# Altium PCB CM_PCB.PcbDoc (part 2 of 7)
Units mil, origin at the board's own origin, x right, y up, seen from the top; angles counter-clockwise.
Board outline 6478 x 5255 mil, 14 copper layers (Top Layer, GND1, HS1, GND2, DIFF_SE1, GND3, POWER1, POWER2, GND4, DIFF_SE2, GND5, HS2, GND6, Bottom Layer), stack 76.1 mil thick; 327 components, 386 nets, 2198 pads, 830 vias.
Unrouted connection lines stored in the file: 392.
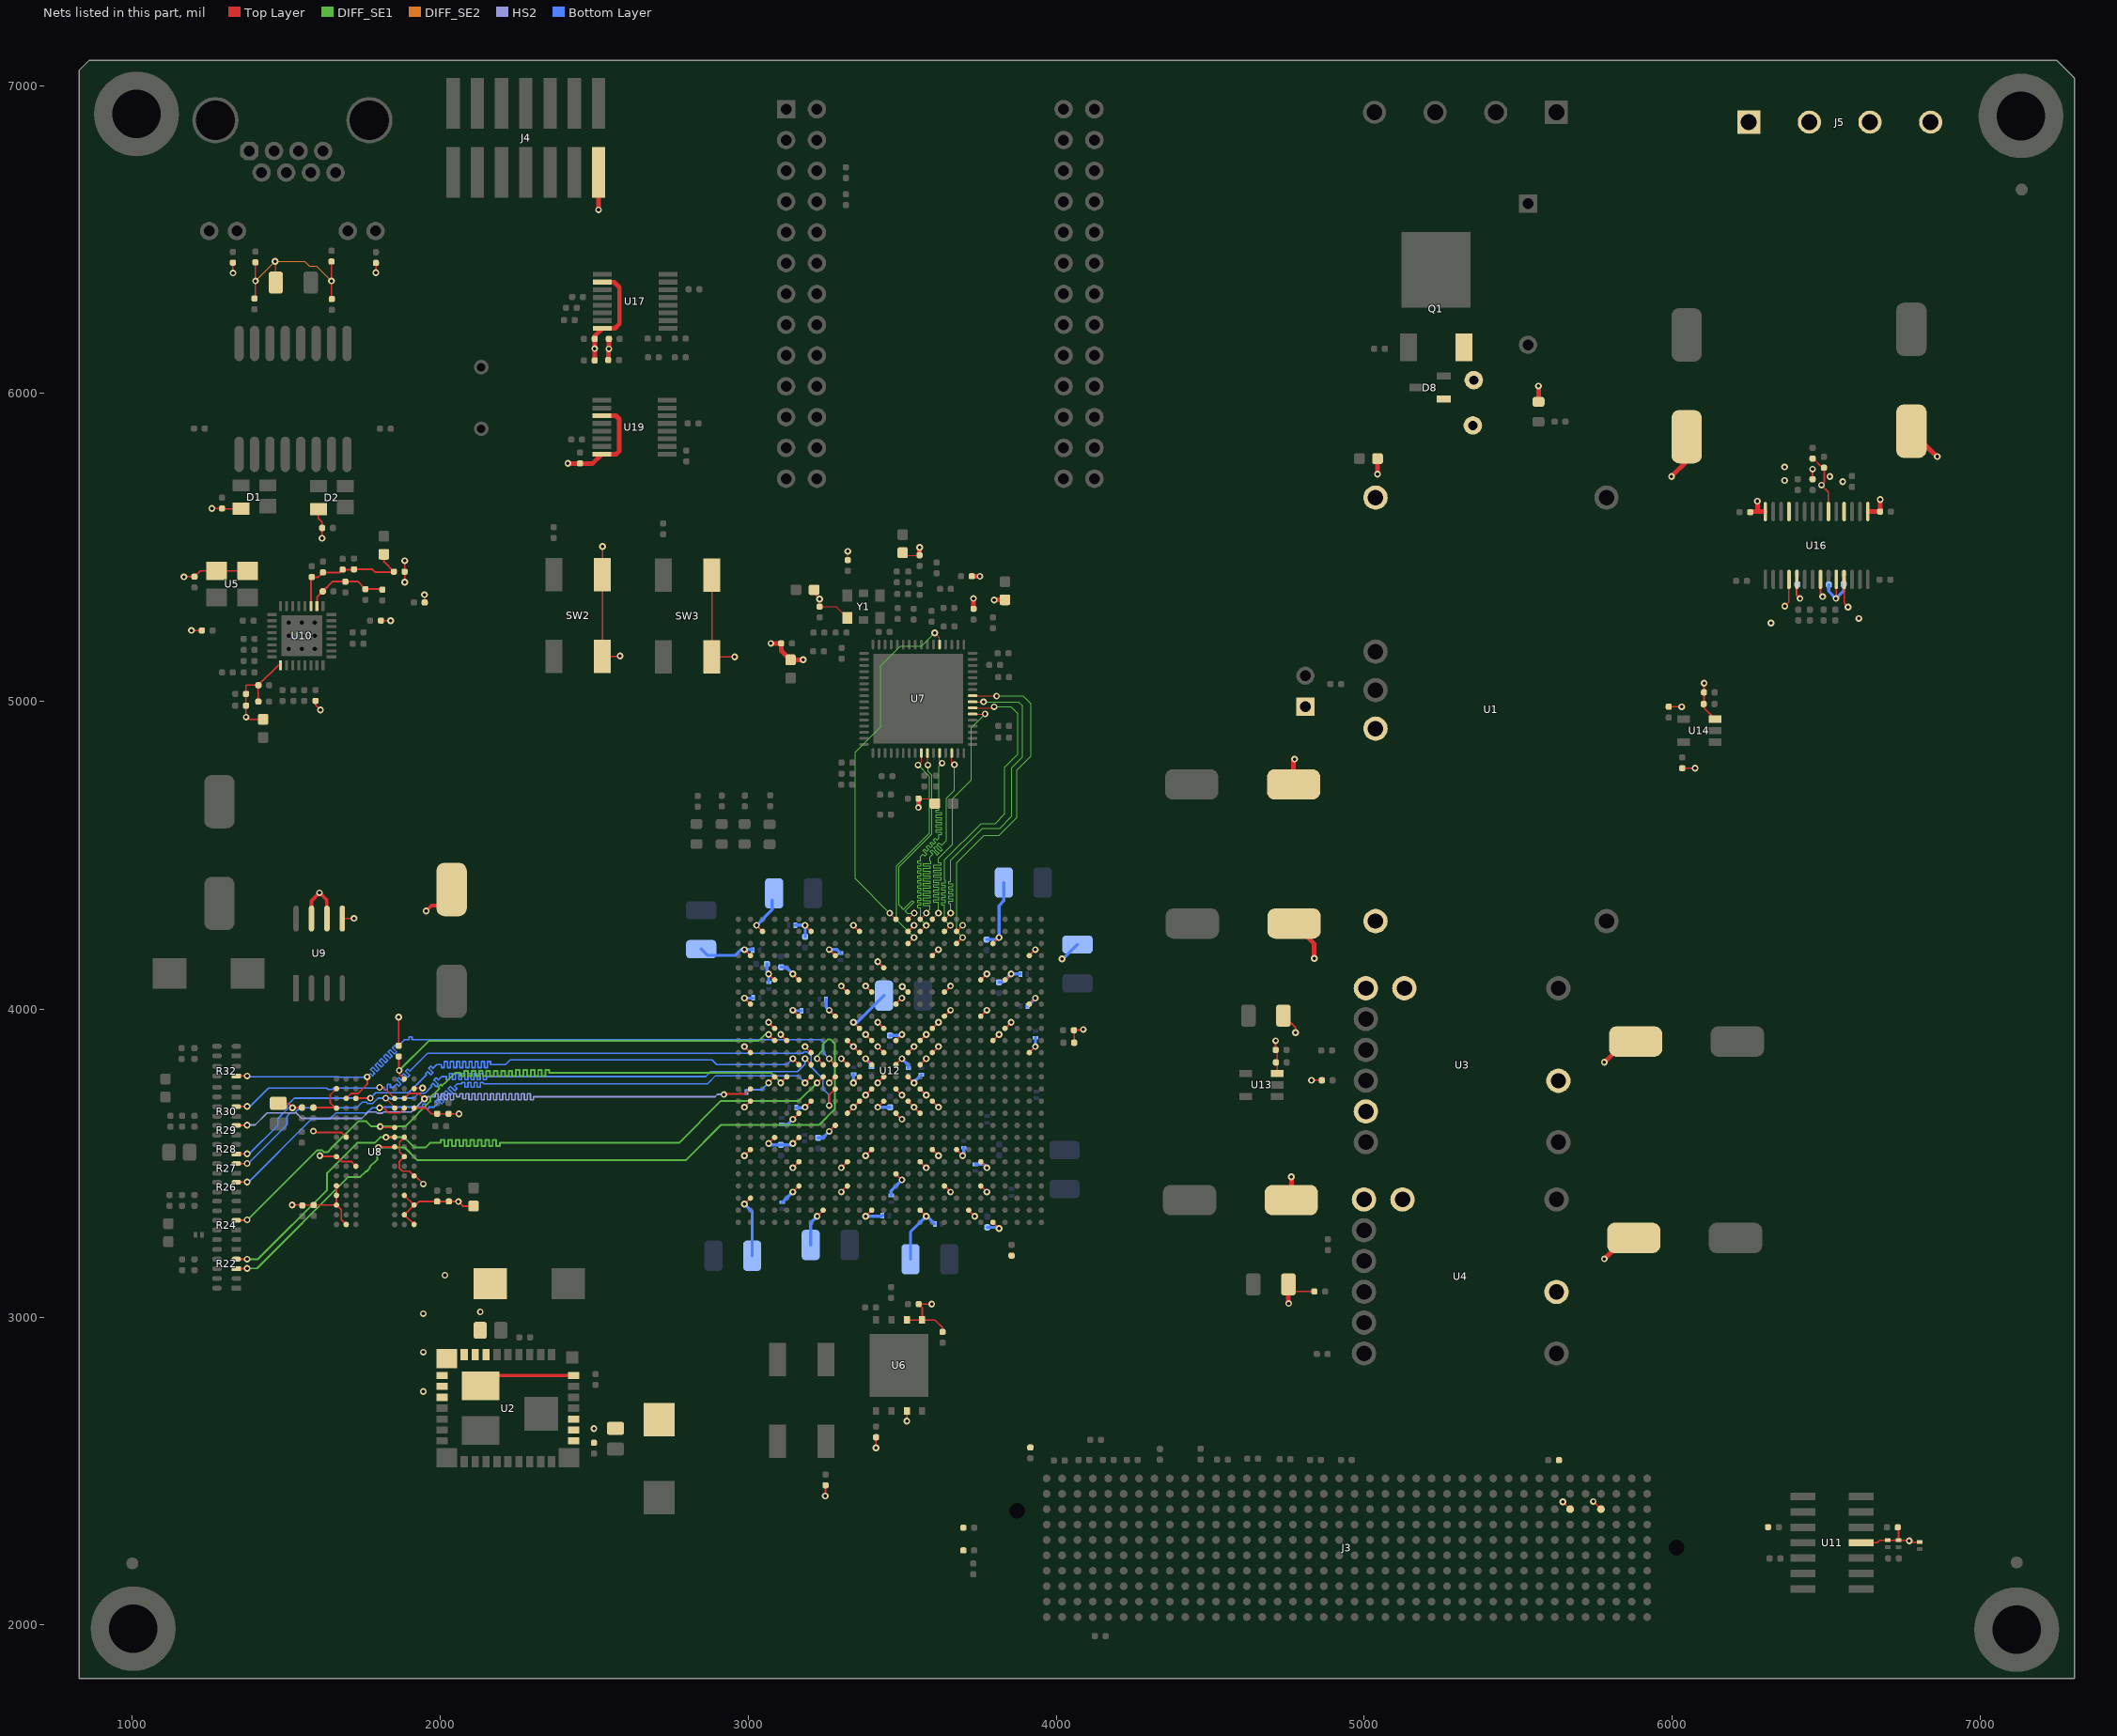
[diagram p14: the nets of this part, all layers, seen from the top]

## Footprints (in the part's own frame and the unit in brackets; to place one, negate y for a bottom-side part, rotate by r counter-clockwise, add the part's x,y. Pads: shape width x height; smd on the part's side, far side on the other; paste and mask are expansions set on the pad) (continued)
LED_0603 [mm] "Light Emitting Diode - Package 1608"
  rrect50% 0.8x1 smd: A(-0.825,0) K(0.825,0)
  silkscreen extent -0.2,-0.67 0.2,0.68, body extent -0.81,-0.38 0.81,0.42, height 1.1
M25P128 [mm]
  rect 5.2x4.85 smd: 0(0,0)
  rect 0.6x0.5 smd: 1(-3.75,1.905) 2(-3.75,0.635) 3(-3.75,-0.635) 4(-3.75,-1.905) 5(3.75,1.905) 6(3.75,0.635) 7(3.75,-0.635) 8(3.75,-1.905)
  silkscreen extent -4.56,2.79 -4.44,2.91
MEM_DDR3_MT41J128M16JT-125 [mm]
  round 0.45 smd: A1(-3.2,6) A2(-2.4,6) A3(-1.6,6) A7(1.6,6) A8(2.4,6) A9(3.2,6) B1(-3.2,5.2) B2(-2.4,5.2) B3(-1.6,5.2) B7(1.6,5.2) B8(2.4,5.2) B9(3.2,5.2) C1(-3.2,4.4) C2(-2.4,4.4) C3(-1.6,4.4) C7(1.6,4.4) C8(2.4,4.4) C9(3.2,4.4) D1(-3.2,3.6) D2(-2.4,3.6) D3(-1.6,3.6) D7(1.6,3.6) D8(2.4,3.6) D9(3.2,3.6) E1(-3.2,2.8) E2(-2.4,2.8) E3(-1.6,2.8) E7(1.6,2.8) E8(2.4,2.8) E9(3.2,2.8) F1(-3.2,2) F2(-2.4,2) F3(-1.6,2) F7(1.6,2) F8(2.4,2) F9(3.2,2) G1(-3.2,1.2) G2(-2.4,1.2) G3(-1.6,1.2) G7(1.6,1.2) G8(2.4,1.2) G9(3.2,1.2) H1(-3.2,0.4) H2(-2.4,0.4) H3(-1.6,0.4) H7(1.6,0.4) H8(2.4,0.4) H9(3.2,0.4) J1(-3.2,-0.4) J2(-2.4,-0.4) J3(-1.6,-0.4) J7(1.6,-0.4) J8(2.4,-0.4) J9(3.2,-0.4) K1(-3.2,-1.2) K2(-2.4,-1.2) K3(-1.6,-1.2) K7(1.6,-1.2) K8(2.4,-1.2) K9(3.2,-1.2) L1(-3.2,-2) L2(-2.4,-2) L3(-1.6,-2) L7(1.6,-2) L8(2.4,-2) L9(3.2,-2) M1(-3.2,-2.8) M2(-2.4,-2.8) M3(-1.6,-2.8) M7(1.6,-2.8) M8(2.4,-2.8) M9(3.2,-2.8) N1(-3.2,-3.6) N2(-2.4,-3.6) N3(-1.6,-3.6) N7(1.6,-3.6) N8(2.4,-3.6) N9(3.2,-3.6) P1(-3.2,-4.4) P2(-2.4,-4.4) P3(-1.6,-4.4) P7(1.6,-4.4) P8(2.4,-4.4) P9(3.2,-4.4) R1(-3.2,-5.2) R2(-2.4,-5.2) R3(-1.6,-5.2) R7(1.6,-5.2) R8(2.4,-5.2) R9(3.2,-5.2) T1(-3.2,-6) T2(-2.4,-6) T3(-1.6,-6) T7(1.6,-6) T8(2.4,-6) T9(3.2,-6)
  silkscreen extent -5.31,-6.98 4.5,7.01, body extent -4.5,-7 4.5,7, height 1.05
MH_ENG_6-32 [mm] "Mounting hole - Imperial 6-32"
  round 7 hole 4: 1(0,0)
PIN-W2/E2.8 [mm] "Thru-Hole; 2 Leads"
  rect 1.5x1.5 hole 0.9: 1(-5.825,0)
  round 1.5 hole 0.9: 2(5.825,0)
  silkscreen extent -2.65,-1.4 2.65,1.4
POW_MOTOR_DRV8811PWPR [mm] "TSOP, 28-Leads, Body 9,70x4,40mm, Pitch 0,65mm, Thermal Pad 9,70x3,40mm, IPC Medium Density"
  oval 1.6x0.3 smd: 1(-2.8,4.225) 2(-2.8,3.575) 3(-2.8,2.925) 4(-2.8,2.275) 5(-2.8,1.625) 6(-2.8,0.975) 7(-2.8,0.325) 8(-2.8,-0.325) 9(-2.8,-0.975) 10(-2.8,-1.625) 11(-2.8,-2.275) 12(-2.8,-2.925) 13(-2.8,-3.575) 14(-2.8,-4.225) 15(2.8,-4.225) 16(2.8,-3.575) 17(2.8,-2.925) 18(2.8,-2.275) 19(2.8,-1.625) 20(2.8,-0.975) 21(2.8,-0.325) 22(2.8,0.325) 23(2.8,0.975) 24(2.8,1.625) 25(2.8,2.275) 26(2.8,2.925) 27(2.8,3.575) 28(2.8,4.225)
  rect 3.4x9.7 on Bottom Solder paste-15 mask-15: PAD(0,0)
  silkscreen extent -2.92,4.8 -2.68,5.05, body extent -3.2,-4.9 3.2,4.9, height 1.2
PTH08T230W [mm]
  round 2 hole 1.27: 1(-7.94,6.352) 2(-7.94,1.282) 3(-7.94,-6.348) 4(4.76,-6.348) 5(7.94,-6.348) 6(7.94,-3.808) 7(7.94,-1.268) 8(7.94,1.272) 9(7.94,3.812) 10(7.94,6.352)
  silkscreen extent -9.97,-8.38 9.97,8.38, body extent -9.97,-8.38 9.97,8.38, height 8.5
PTN78020W [mm]
  round 2 hole 1.27: 1(-17.464,9.523) 2(-17.464,-9.527) 3(-4.764,-9.527) 4(-1.584,-9.527) 5(1.596,-9.527) 6(17.476,-9.527) 7(17.476,9.523)
  silkscreen extent -19.49,-11.55 19.5,11.56, body extent -19.56,-11.56 19.43,11.56, height 9
RAD-0.2 [mm] "Radial Cap, Thru-Hole; 2 Leads; 0.2 in Pin Spacing"
  round 1.2 hole 0.7: 1(-2.54,0) 2(2.54,0)
  silkscreen extent -4.44,-1.91 4.44,1.91
RES_0402 [mil]
  rrect60% 20x20 smd: 1(-17.5,0) 2(17.5,0)
  silkscreen extent -32,-15 32,15, body extent -23,-11 23,11, height 16
"RKG39 QFN" [mm]
  rect 1x1 smd paste-11 mask-0.6: 1(0.6,0.7)
  rect 0.6x0.95 smd paste-0.025 mask+0.07: 2(2.3,0.475) 3(3.2,0.475) 4(4.1,0.475) 5(5,0.475) 6(5.9,0.475) 7(6.8,0.475) 8(7.7,0.475) 9(8.6,0.475) 10(9.5,0.475) 20(9.5,9.325) 21(8.6,9.325) 22(7.7,9.325) 23(6.8,9.325) 24(5.9,9.325) 25(5,9.325) 26(4.1,9.325) 27(3.2,9.325) 28(2.3,9.325)
  rect 1.7x1.6 smd paste-11 mask+0.07: 11(10.95,0.8) 19(10.95,9)
  rect 0.95x0.6 smd paste-0.025 mask+0.07: 12(11.325,2.2) 13(11.325,3.1) 14(11.325,4) 15(11.325,4.9) 16(11.325,5.8) 17(11.325,6.7) 18(11.325,7.6) 30(0.475,7.6) 31(0.475,6.7) 32(0.475,5.8) 33(0.475,4.9) 34(0.475,4) 35(0.475,3.1) 36(0.475,2.2)
  rect 1.7x1.6 smd paste-99 mask+0.07: 29(0.85,9)
  rect 2.8x2.8 smd paste-11 mask-0.6: 37(3.15,5.35)
  rect 3.1x2.35 smd paste-11 mask+0.07: 38(8.15,3.07) 39(8.15,6.74)
  Top Layer region: 0,0 1.7,0 1.7,0.99 1.09,1.6 0,1.6
  silkscreen extent -0.3,-1.55 12.1,10.1, body extent 0.4,0.4 11.4,9.4, height 2.9
SEN_TEMP_TC74A0-3.3VCTTR [mm]
  rect 1.05x0.6 smd paste-0.05 mask+0.07: 1(-1.3,0.95) 2(-1.3,0) 3(-1.3,-0.95) 4(1.3,-0.95) 5(1.3,0.95)
  silkscreen extent -2.47,-1.5 0.48,1.5, body extent -1.6,-1.58 1.6,1.53, height 1.45
SOIC127P600X175-14N [mil]
  rect 81x24 smd: 1(-189,300) 2(-189,250) 3(-189,200) 4(-189,150) 5(-189,100) 6(-189,50) 7(-189,0) 8(0,0) 9(0,50) 10(0,100) 11(0,150) 12(0,200) 13(0,250) 14(0,300)
  silkscreen extent -140,-22 -49,322
SOP8 [mm]
  rect 2.15x0.45 smd: 1(0,0)
  oval 2.15x0.45 smd: 2(0,-1.27) 3(0,-2.54) 4(0,-3.81) 5(5.75,-3.81) 6(5.75,-2.54) 7(5.75,-1.27) 8(5.75,0)
  silkscreen extent 1.5,-4.44 3.84,1.3
SOT23_N [mm] "SOT23, 3-Leads, Body 2.9x1.3mm, Pitch 0.95mm, Lead Span 2.3mm - Reverse Pinning, IPC Medium Density"
  rect 1.15x0.6 smd: 1(1.125,0) 2(-1.125,-0.95) 3(-1.125,0.95)
  silkscreen extent -0.2,-1.5 1.47,1.5, body extent -0.7,-1.5 0.7,1.5, height 1.1
SWI_TACT_B3SN-3012P [mm]
  rect 2.75x1.4 smd: 1(-3.375,2) 2(-3.375,-2) 3(3.375,-2) 4(3.375,2)
  silkscreen extent -6.44,-3.99 5.3,3.97, body extent -3.42,-3.37 3.58,3.13, height 3.1
TIM_CDCE62005RGZT [mm] "QFN, 64-Leads, Body 9,00x9,00mm, Pitch 0,50mm, Thermal Pad 7,40x7,40mm, IPC Medium Density"
  oval 0.8x0.23 smd mask+0.07: 1(-4.475,3.75) 2(-4.475,3.25) 3(-4.475,2.75) 4(-4.475,2.25) 5(-4.475,1.75) 6(-4.475,1.25) 7(-4.475,0.75) 8(-4.475,0.25) 9(-4.475,-0.25) 10(-4.475,-0.75) 11(-4.475,-1.25) 12(-4.475,-1.75) 13(-4.475,-2.25) 14(-4.475,-2.75) 15(-4.475,-3.25) 16(-4.475,-3.75) 33(4.475,-3.75) 34(4.475,-3.25) 35(4.475,-2.75) 36(4.475,-2.25) 37(4.475,-1.75) 38(4.475,-1.25) 39(4.475,-0.75) 40(4.475,-0.25) 41(4.475,0.25) 42(4.475,0.75) 43(4.475,1.25) 44(4.475,1.75) 45(4.475,2.25) 46(4.475,2.75) 47(4.475,3.25) 48(4.475,3.75)
  oval 0.23x0.8 smd mask+0.07: 17(-3.75,-4.475) 18(-3.25,-4.475) 19(-2.75,-4.475) 20(-2.25,-4.475) 21(-1.75,-4.475) 22(-1.25,-4.475) 23(-0.75,-4.475) 24(-0.25,-4.475) 25(0.25,-4.475) 26(0.75,-4.475) 27(1.25,-4.475) 28(1.75,-4.475) 29(2.25,-4.475) 30(2.75,-4.475) 31(3.25,-4.475) 32(3.75,-4.475) 49(3.75,4.475) 50(3.25,4.475) 51(2.75,4.475) 52(2.25,4.475) 53(1.75,4.475) 54(1.25,4.475) 55(0.75,4.475) 56(0.25,4.475) 57(-0.25,4.475) 58(-0.75,4.475) 59(-1.25,4.475) 60(-1.75,4.475) 61(-2.25,4.475) 62(-2.75,4.475) 63(-3.25,4.475) 64(-3.75,4.475)
  rect 7.4x7.4 smd mask+0.07: PAD(0,0)
  silkscreen extent -5.5,-4.72 4.72,4.72, body extent -4.57,-4.57 4.57,4.57, height 1
TO-252 [mil]
  rect 225x245 smd: D(117.5,297.5)
  rect 55x90 smd mask+4: G(27.5,45) S(207.5,45)
TRANSFO_H1102NLT [mil]
  oval 115x30 smd: 1(-180,175) 2(-180,125) 3(-180,75) 4(-180,25) 5(-180,-25) 6(-180,-75) 7(-180,-125) 8(-180,-175) 9(180,-175) 10(180,-125) 11(180,-75) 12(180,-25) 13(180,25) 14(180,75) 15(180,125) 16(180,175)
  silkscreen extent -230,-248 110,248, body extent -175,-252 175,252, height 215
TVS_SR3.3.TCT [mm] "SOT143, 4-Leads, Body 3,0x2,6mm (max), Pitch 1,92mm, IPC Medium Density"
  rect 1.4x1.2 smd: 1(-1.1,0.76)
  rect 1.4x1 smd: 2(-1.1,-0.96) 3(1.1,-0.96) 4(1.1,0.96)
  silkscreen extent -1.23,-1.68 0.7,2.03, body extent -1.14,-1.42 1.22,1.48, height 1.22

## Part data
C1 C13 C14: library part CAP_TANT_2917(D), "CAP - TANTALUM - 2917"
C5 C6 C7: library part CAP_ALU_MAL214699501E3, "CAP - ALU 330uF 20% 16V - 1010"
C9 C11 C76 C77 C155 C157: library part CAP_ALU_MAL215099101E3, "CAP - ALU 100uF 20% 50V - 1010"
C48 C49: library part "CAP - 0402", "CAP - 0402"
D1 D2: library part TVS_SR3.3.TCT, "TVS - DIODE ARRAY 3.3V 150W - SOT143-4"
D3: library part LED_SML-311UTT86, "LED - 620nM RED 2mA - 0603"
D4 D5 D6 D7: library part LED_SML-311DTT86, "LED - 611nM ORANGE 2mA - 0603"
D8: "Zener Diode"
F1: "Fuse"
FID1 FID2 FID3: library part FID_1MM, "FID - 1MM"
H1: "27mm Heatsink"
J1 J5: library part CONN_TERMINAL_OSTTC040162, "CONN -  TERMINAL BLOCK 4POS 5MM - TH"
J2: library part CONN_ETHERNET_RJHSE-5385, "CONN - MOD JACK RJ45 R/A ETHERNET - TH"
J3: library part CONN_SAMTEC_ASP-134486-01, "CONN - VITA 57 MEZZ FEMALE (MOTHERBOARD) HIGH DENSITY - SMD-400"
J4: library part CONN_JTAG_98424-G52-14ALF, "CONN -  JTAG HEADER XILINX - 14-SMD"
MH3 MH4 MH7 MH8: library part MH_6-32, "MH - Mounting Hole 6-32"
Q1: library part "P-MOS SUD50P04-08-GE3"
R4 R5 R11 R12 R19: library part "RES - 0402", "RES - 0402"
SW1 SW2 SW3: library part SWI_TACT_B3SN-3012P, "SWI - TACT SPST-NO 0.05A 24V - 4-SMD"
T1: library part TRANSFO_H1102NLT, "TRANSFO - ETHERNET 10/100B-TX - SMD-16"
U1: "Wide input volate regulator"
U2: "2A Power Module"
U7: library part TIM_CDCE62005RGZT, "TIM - CLK SYNTH JITTER CLEANER 3:5 - QFN-48"
U8: library part "MEM_DDR3_MT41J128M16JT-125:K TR", "MEM - DDR3 SDRAM 2GBIT 800MHZ - TFBGA-96"
U10: library part COM_ETH_PHY_KSZ8091MNXCA, "COM - ETHERNET PHY 10/100 - QFN-32"
U11: "OP Amp Quad GP ±16V/32V 14-Pin SOIC T/R"
U12: library part FPGA_XC6SLX100-3FGG676C, "FPGA - XILINX SPARTAN 6 480 I/O - BGA-676"
U13 U14: library part SENS_TEMP_TC74A0-3.3VCTTR, "SENS - TEMPERATURE SENSOR I2C/SMBUS - SOT23-5"
U16: library part POW_MOTOR_DRV8811PWPR, "POW - STEPPER MOTOR DRIVER - SOP-28"
U17: library part ISO_SI8641BA-C-IU, "ISO - DIGITAL ISOLATOR 1KV 4CH 3:1 GEN PURP -  SOP-16"
U18: library part COM_USB_FT2232H-MINI-MODULE, "COM - USB FTDI FT2232H Mini-Module - TH"
U19: library part ISO_SI8642BA-B-IU, "ISO - DIGITAL ISOLATOR 1KV 4CH 2:2 GEN PURP -  SOP-16"
W1: "Jumper Wire"

## Free pads (board coordinates)
  round 60 hole 30: 2(5356,6043) 3(5353,5896)

## Via types
v1: diameter 22, hole 11, Top Layer to Bottom Layer, 627 vias
v2: diameter 22, hole 11, Top Layer to Bottom Layer, tented top, 139 vias
v3: diameter 19.68, hole 7.87, Top Layer to Bottom Layer, tented top, 27 vias
v4: diameter 19.68, hole 7.87, Top Layer to Bottom Layer, 25 vias
v5: diameter 19.68, hole 11.81, Top Layer to Bottom Layer, 12 vias

## Nets (pads, with @x,y where several pads share a name; then routed paths per layer and width w, separated by ;. In a path a pad name is that pad's centre, name@x,y a point inside that pad or via, vN(x,y) a via of type N, cw(c..) or ccw(c..) an arc to the next point about the centre after c; other vN are vias at no path point)
1V2: C8.2 C9.1 C131.2 C132.2 C133.2 C134.2 C135.2 C136.2 C137.2 R4.1 U3.4 U3.5 U12.K11 U12.K17 U12.L10 U12.L12 U12.L14 U12.L16 U12.M11 U12.M13 U12.M15 U12.N12 U12.N14 U12.N16 U12.P11 U12.P13 U12.P15 U12.R12 U12.R14 U12.R16 U12.T11 U12.T13 U12.T15 U12.T17 U12.U10 U12.U16 | length 1267.5
  Top Layer w4: U12.U10@3322.15,3662 v1(3341.83,3681.68) U12.T11@3361.52,3701.37 ; U12.L10@3322.15,3898.22 v1(3341.83,3878.54) U12.M11@3361.52,3858.85 ; v1(3341.83,3760.42) U12.P11@3361.52,3780.11 ; v1(3341.83,3957.28) U12.K11@3361.52,3937.59 ; v1(3381.2,3721.05) U12.R12@3400.89,3740.74 ; v1(3381.2,3839.17) U12.N12@3400.89,3819.48 ; v1(3381.2,3917.91) U12.L12@3400.89,3898.22 ; v1(3420.57,3681.68) U12.T13@3440.26,3701.37 ; v1(3420.57,3760.42) U12.P13@3440.26,3780.11 ; v1(3420.57,3878.54) U12.M13@3440.26,3858.85 ; U12.R14@3479.63,3740.74 v1(3499.32,3721.05) ; U12.N14@3479.63,3819.48 v1(3499.32,3839.17) ; U12.L14@3479.63,3898.22 v1(3499.32,3917.91) ; U12.T15@3519,3701.37 v1(3538.69,3681.68) U12.U16@3558.37,3662 ; U12.P15@3519,3780.11 v1(3538.69,3760.42) ; U12.M15@3519,3858.85 v1(3538.69,3878.54) ; U12.R16@3558.37,3740.74 v1(3578.06,3721.05) ; U12.N16@3558.37,3819.48 v1(3578.06,3839.17) ; U12.L16@3558.37,3898.22 v1(3578.06,3917.91) ; U12.T17@3597.74,3701.37 v1(3617.43,3681.68) ; U12.K17@3597.74,3937.59 v1(3617.43,3957.28) ; C8.2@4738,3979 4777,3940 v1(4777,3924) ; v1(4829,3769) R4.1@4862.5,3769
  Top Layer w15: C9.1@4772.71,4278 4838,4212.71 v1(4838,4165)
  Bottom Layer w10: v1(3341.83,3957.28) 3354.28,3957.28 C137.2@3441.01,4044 ; v1@3342,3760.59 C132.2@3342,3789 ; v1(3381.2,3839.17) 3400,3820.37 C131.2@3400,3812 ; v1(3420.57,3681.68) 3420.76,3681.5 C136.2@3461,3681.5 ; C135.2@3460,3914.5 3495.91,3914.5 v1(3499.32,3917.91) ; v1(3499.32,3839.17) 3520,3818.48 C133.2@3520,3809 ; v1(3538.69,3760.42) 3538.69,3763.69 C134.2@3562,3787
1V2_PHY: C89.2 C90.2 C91.2 C92.2 U10.2 | length 272.9
  Top Layer w6: U10.2@1599.66,5309.25 1599.66,5338.16 C92.2@1618.5,5357 1650,5388.5 C91.2@1692,5388.5 1733,5388.5 C90.2@1757,5364.5 1810,5364.5 C89.2@1812,5362.5
1V5: C12.2 C13.2 C60.2 C61.2 C62.2 C63.2 C66.2 C67.2 C68.2 C69.2 C72.2 C74.2 C118.2 C119.2 C120.2 C121.2 C122.2 R21.2 U2.8 U2.9 U2.10 U2.11 U2.12 U2.13 U2.14 U2.36 U2.38 U8.A1 U8.A8 U8.B2 U8.C1 U8.C9 U8.D2 U8.D9 U8.E9 U8.F1 U8.G7 U8.H2 U8.H9 U8.K2 U8.K8 U8.N1 U8.N9 U8.R1 U8.R9 U9.5 U12.AC6 U12.AD2 U12.M7 U12.P4 U12.P9 U12.T2 U12.T7 U12.W4 U12.W6 U12.Y2 | length 2711.2
  Top Layer w4: v1(2987.5,3366.72) U12.AD2@3007.19,3386.41 ; v1(2987.5,3524.2) U12.Y2@3007.19,3543.89 ; v1(2987.5,3681.68) U12.T2@3007.19,3701.37 ; v1(3066.24,3563.57) U12.W4@3085.93,3583.26 ; v1(3066.24,3760.42) U12.P4@3085.93,3780.11 ; v1(3144.98,3406.09) U12.AC6@3164.67,3425.78 ; v1(3144.98,3563.57) U12.W6@3164.67,3583.26 ; v1(3184.35,3681.68) U12.T7@3204.04,3701.37 ; v1(3184.35,3878.54) U12.M7@3204.04,3858.85 ; v1(3263.09,3760.42) U12.P9@3282.78,3780.11
  Top Layer w5.5: C74.2@1474,3694.5 1506.5,3694.5 1520.5,3680.5 C69.2@1551,3680.5 ; v2@1518,3364 1518.23,3363.77 U8.C9@1663.02,3363.77 ; v2(1588,3604) 1592,3600 1678.76,3600 U8.K8@1694.51,3584.24 ; C62.2@1588,3680.5 1588,3680.75 U8.N9@1657.25,3680.75 ; v2@1608,3522 U8.H9@1659.76,3522 ; U8.E9@1663.02,3426.76 U8.D9@1663.02,3395.27 U8.C9@1663.02,3363.77 ; U8.H9@1663.02,3521.25 1678.9,3505.36 1710.4,3505.36 U8.G7@1726.01,3489.76 ; U8.N9@1663.02,3678.73 1661,3680.75 U8.N9@1657.25,3680.75 ; U8.R9@1663.02,3741.72 1643,3721.71 1643,3695 U8.N9@1657.25,3680.75 ; U9.5@1682,4294.38 1719.38,4294.38 v2(1720,4295) ; U8.A8@1694.51,3300.78 1678.62,3316.67 1678.62,3348.16 U8.C9@1663.02,3363.77 ; R21.2@1865,3881.5 v1(1865,3974) ; U8.D2@1883.49,3395.27 U8.C1@1914.98,3363.77 ; U8.K2@1883.49,3584.24 1867.88,3568.64 1867.88,3536.86 U8.H2@1883.49,3521.25 1867.6,3505.36 1867.6,3483.57 1877.3,3473.87 1899.38,3473.87 U8.F1@1914.98,3458.26 1918.74,3458.26 v2(1945,3432) ; U8.A1@1914.98,3300.78 U8.B2@1883.49,3332.28 U8.C1@1914.98,3363.77 ; U8.N1@1914.98,3678.73 1953.27,3678.73 1972,3660 v2(2061,3660) ; U8.R1@1914.98,3741.72 1918.72,3741.72 1921,3744 v2(1943,3744) ; U2.11@2006.13,2850.74 U2.11@2020.9,2865.5 U2.11@2033.69,2878.3 ; C72.2@2108,3360.5 2073.5,3360.5 v2(2059,3375) 1931,3375 1919.77,3363.77 U8.C1@1914.98,3363.77 ; U2.38@2110.27,2776.13 U2.38@2131.13,2776.13 U2.38@2165.39,2810.39
  Top Layer w10: U2.38@2165.39,2810.39 U2.36@2433.3,2810.39
  Bottom Layer w5.5: C118.2@2995,3731 2995,3738.8 3044.62,3738.8 v1(3066.24,3760.42)
  Bottom Layer w10: v1(2987.5,3366.72) 3012.99,3341.23 C122.2@3012.99,3199 ; v1(3066.24,3563.57) 3070.32,3559.5 C121.2@3106,3559.5 3140.91,3559.5 v1(3144.98,3563.57) ; C119.2@3110,3373 3111.89,3373 v1(3144.98,3406.09) ; C120.2@3156,3680 3182.67,3680 v1(3184.35,3681.68)
  other v2: 1945,2758 1945,2886 1945,3011 2130,3017 2015,3136 1519,3364 1609,3524 1520,3680
3V3: C1.2 C2.2 C3.2 C10.2 C11.1 C19.2 C31.2 C35.2 C39.2 C43.2 C44.2 C76.1 C84.2 C85.2 C86.2 C87.2 C88.2 C96.2 C97.2 C98.2 C100.2 C101.2 C102.2 C103.2 C104.2 C105.2 C106.2 C107.2 C113.2 C114.2 C115.2 C116.2 C117.2 C123.2 C124.2 C125.2 C126.2 C127.2 C128.2 C129.2 C130.2 C138.2 C139.2 C140.2 C141.2 C142.2 C143.2 C144.2 C145.2 C146.2 C147.2 C148.2 C149.2 C150.2 C151.2 C152.2 C153.2 C158.2 C159.2 C160.2 C161.2 C164.2 C172.2 C173.2 C174.2 C175.2 C176.2 D1.4 D2.4 J4.B01 L1.2 L2.2 L3.2 L4.2 L5.2 L6.2 R2.2 R5.1 R9.2 R10.2 R14.1 R52.2 R53.2 R55.2 R58.2 R63.2 R67.2 R78.2 R79.2 R80.2 R81.2 R96.2 R99.1 R100.2 R101.2 R102.2 R106.2 R107.2 SW2.2 SW2.3 SW3.2 SW3.3 U2.30 U2.31 U2.32 U4.4 U4.5 U5.1 U5.4 U6.3 U6.7 U6.8 U9.6 U9.7 U10.17 U11.4 U12.AA6 U12.AA10 U12.AA16 U12.AA21 U12.AB14 U12.AC10 U12.AC18 U12.AC21 U12.AE8 U12.AE12 U12.AE16 U12.AE20 U12.AF22 U12.B3 U12.B7 U12.B11 U12.B15 U12.B19 U12.C22 U12.D2 U12.D9 U12.D17 U12.D25 U12.E13 U12.F4 U12.F6 U12.F21 U12.F23 U12.G10 U12.G12 U12.G15 U12.G18 U12.H2 U12.H14 U12.H25 U12.J6 U12.J9 U12.J18 U12.J21 U12.K4 U12.K13 U12.K23 U12.L5 U12.L22 U12.M2 U12.M17 U12.M25 U12.N10 U12.U6 U12.U14 U12.V9 U12.Y12 U12.Y17 U12.Y19 U13.3 U14.3 U16.5 U16.8 U16.10 U16.20 U17.10 U17.16 U19.11 U19.16 Y1.6 | length 8547.7
  Top Layer w3: C44.2@3214,5362 3214,5349.5 v1(3231.5,5332) C43.2@3231.5,5307.5 3284.87,5307.5 Y1.6@3321.5,5270.87 ; R14.1@3323.5,5458.5 v1(3323.5,5487) ; C39.2@3501.5,5474.5 L5.2@3556.5,5474.5 ; L4.2@3553,4684 3590,4684 C35.2@3606,4668
  Top Layer w4: v1(1168,5404) 1168.5,5404.5 C98.2@1202,5404.5 1221.3,5423.8 U5.1@1273.94,5423.8 U5.4@1373.94,5423.8 ; v1(1192,5230) R55.2@1226,5230 ; v1(1258.5,5626.5) C96.2@1291,5626.5 1292,5625.5 D1.4@1353.64,5625.5 ; v1(1327,6391) R58.2@1327,6424.5 ; C87.2@1409.5,4999 C88.2@1409.5,5052 ; C84.2@1425,4941.5 1376.5,4941.5 v1(1369.5,4948.5) C85.2@1369.5,4986 C86.2@1369.5,5024 1369.5,5049.5 1372,5052 C88.2@1409.5,5052 ; U10.17@1481.55,5116.34 1473.84,5116.34 C88.2@1409.5,5052 ; D2.4@1594.5,5623.5 D2.4@1604.64,5623.5 1604.64,5594.36 1616.5,5582.5 C97.2@1616.5,5563 v1(1616.5,5529.5) ; R53.2@1595,5001.5 1595,4988 v1(1611,4972) ; v1(1791,6392) R67.2@1791,6423.5 ; R63.2@1807.5,5262 v1(1839,5262) ; v1(1884.5,5386.5) L6.2@1884.5,5421 v1(1884.5,5456.5) ; v1(1949,5346) 1949.5,5345.5 R52.2@1949.5,5321 ; v1(2527,5503) 2526.74,5502.74 SW2.3@2526.74,5411.87 SW2.2@2526.74,5146.13 2583.13,5146.13 v1(2584,5147) ; SW3.3@2881.74,5409.87 SW3.2@2881.74,5144.13 2955.87,5144.13 v1(2956,5144) ; v1(2987.5,3878.54) U12.M2@3007.19,3858.85 ; v1(2987.5,4036.02) U12.H2@3007.19,4016.33 ; v1(2987.5,4193.5) U12.D2@3007.19,4173.81 ; v1(3026.87,4272.24) U12.B3@3046.56,4252.55 ; v1(3066.24,3957.28) U12.K4@3085.93,3937.59 ; v1(3066.24,4114.76) U12.F4@3085.93,4095.07 ; v1(3105.61,3917.91) U12.L5@3125.3,3898.22 ; v1(3144.98,3484.83) U12.AA6@3164.67,3504.52 ; v1(3144.98,3642.31) U12.U6@3164.67,3662 ; v1(3144.98,3996.65) U12.J6@3164.67,3976.96 ; v1(3144.98,4114.76) U12.F6@3164.67,4095.07 ; v1(3184.35,4272.24) U12.B7@3204.04,4252.55 ; v1(3223.72,3327.35) U12.AE8@3243.41,3347.04 ; v1(3263.09,3602.94) U12.V9@3282.78,3622.63 ; v1(3263.09,3996.65) U12.J9@3282.78,3976.96 ; v1(3263.09,4193.5) U12.D9@3282.78,4173.81 ; v1(3302.46,3406.09) U12.AC10@3322.15,3425.78 ; v1(3302.46,3484.83) U12.AA10@3322.15,3504.52 ; v1(3302.46,3839.17) U12.N10@3322.15,3819.48 ; v1(3302.46,4075.39) U12.G10@3322.15,4055.7 ; v1(3341.83,4272.24) U12.B11@3361.52,4252.55 ; v1(3381.2,3327.35) U12.AE12@3400.89,3347.04 ; v1(3381.2,3524.2) U12.Y12@3400.89,3543.89 ; v1(3381.2,4075.39) U12.G12@3400.89,4055.7 ; v1(3420.57,3957.28) U12.K13@3440.26,3937.59 ; v1(3420.57,4154.13) U12.E13@3440.26,4134.44 ; U12.AB14@3479.63,3465.15 v1(3499.32,3445.46) ; U12.U14@3479.63,3662 v1(3499.32,3642.31) ; U12.H14@3479.63,4016.33 v1(3499.32,4036.02) ; v1(3500,4073) 3501.7,4073 U12.G15@3519,4055.7 ; U12.B15@3519,4252.55 v1(3538.69,4272.24) ; U12.AE16@3558.37,3347.04 v1(3578.06,3327.35) ; U12.AA16@3558.37,3504.52 v1(3578.06,3484.83) ; U12.Y17@3597.74,3543.89 v1(3617.43,3524.2) ; U12.M17@3597.74,3858.85 v1(3617.43,3878.54) ; U12.D17@3597.74,4173.81 v1(3617.43,4193.5) ; U12.AC18@3637.11,3425.78 v1(3656.8,3406.09) ; U12.J18@3637.11,3976.96 v1(3656.8,3996.65) ; U12.G18@3637.11,4055.7 v1(3656.8,4075.39) ; U12.Y19@3676.48,3543.89 v1(3696.17,3524.2) ; U12.B19@3676.48,4252.55 v1(3696.17,4272.24) ; U12.AE20@3715.85,3347.04 v1(3735.54,3327.35) ; U12.AC21@3755.22,3425.78 v1(3774.91,3406.09) ; U12.AA21@3755.22,3504.52 v1(3774.91,3484.83) ; U12.J21@3755.22,3976.96 v1(3774.91,3996.65) ; U12.F21@3755.22,4095.07 v1(3774.91,4114.76) ; U12.AF22@3794.59,3307.67 v1(3814.28,3287.98) ; U12.L22@3794.59,3898.22 v1(3814.28,3917.91) ; U12.C22@3794.59,4213.18 v1(3814.28,4232.87) ; U12.K23@3833.96,3937.59 v1(3853.65,3957.28) ; U12.F23@3833.96,4095.07 v1(3853.65,4114.76) ; U12.M25@3912.7,3858.85 v1(3932.39,3878.54) ; U12.H25@3912.7,4016.33 v1(3932.39,4036.02) ; U12.D25@3912.7,4173.81 v1(3932.39,4193.5)